# KiCad board BadgeClassBase.kicad_pcb (continued)
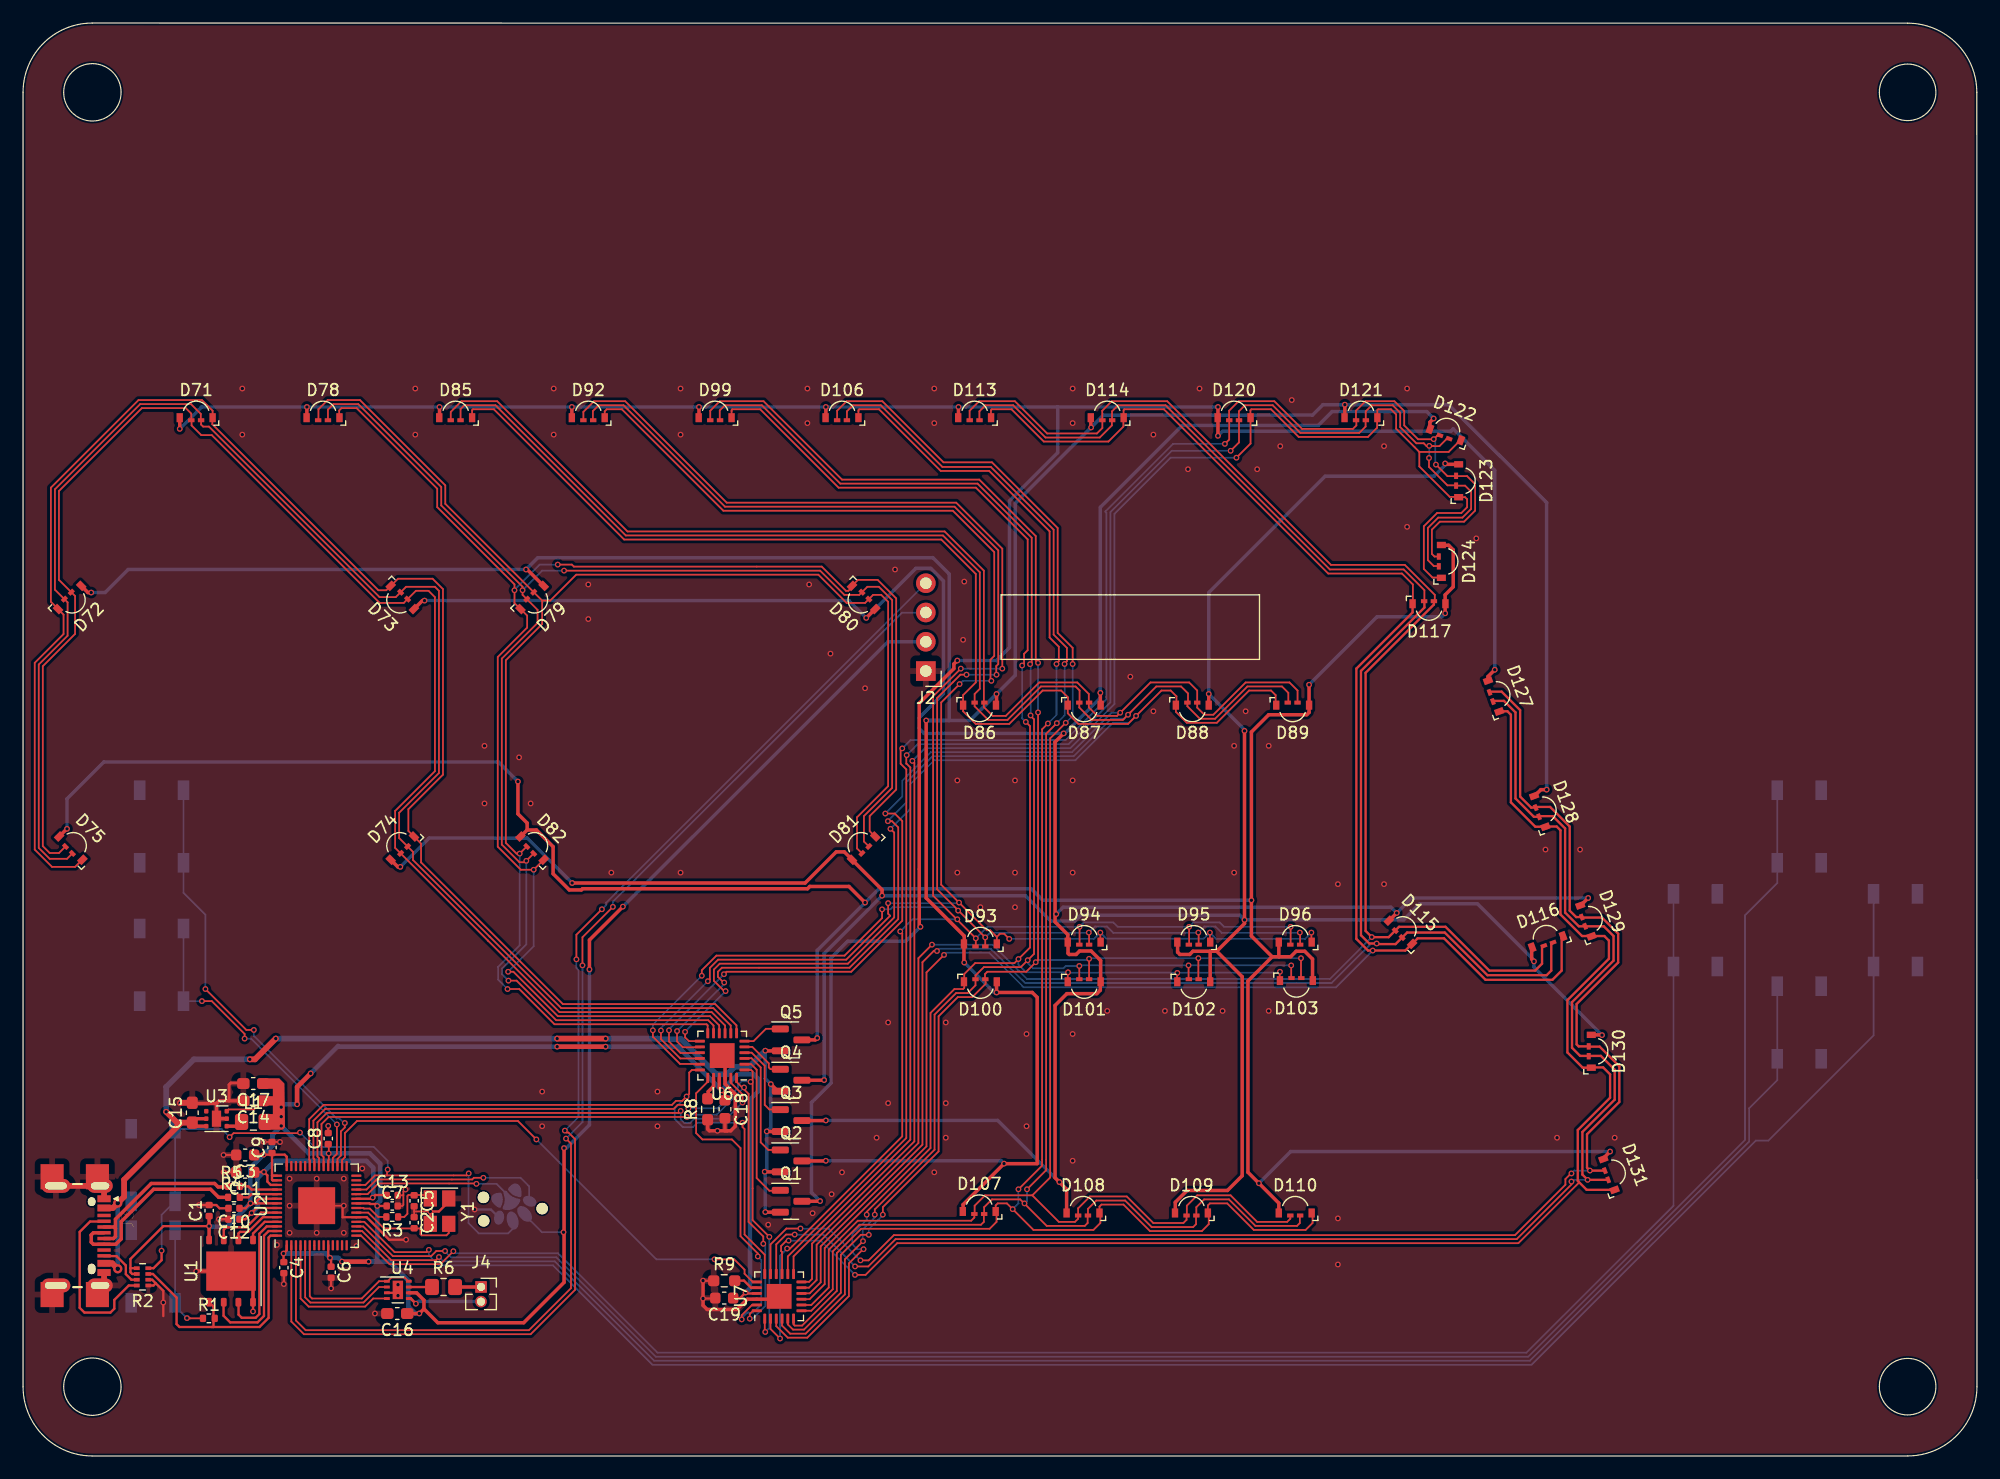
[diagram p0: board, top side]
## Routing (per net, layer and track width the routed paths; a pad name or vN(x,y) marks a point on that pad's centre or on a via; arc(x,y) is an arc through that point) (continued)
Net-(D113-RK): length 178.3
  Top w0.15: 95.43,90.08 95.43,90.74 95.5,90.81 98.92,90.81 113.17,76.56 119.56,76.56 120.51,75.61 120.51,73.91 ; U7.9 68.2,13.6 69.51,14.91 69.51,18.04 78.34,26.86 78.34,41.95 v1(79.86,43.47) ; 83.93,90.08 83.93,90.74 84,90.81 85.71,90.81 88.51,88.01 94.11,88.01 95.41,89.31 95.41,90.11
  Top w0.2: D115.1 120.93,44.91 123.21,44.91 126.81,41.31 132.61,41.31 133.41,42.11 133.41,44.91 133.61,45.11 ; D117.1 120.49,73.19 115.61,68.31 115.61,44.86 116.62,43.85 119.85,43.85 120.41,44.41
  Bottom w0.15: v1(79.86,43.47) 80.04,43.66 83.77,43.66 86.77,40.66 113.84,40.66 v1(117.03,43.85)
Net-(D120-BK): length 141.4
  Top w0.15: 66.31,15.71 66.31,17.31 76.59,27.59 76.59,59.57 76.09,60.06 76.09,61.25 v1(76.23,61.39) ; 115.58,89.86 115.58,90.69 116.4,91.51 118.91,91.51 119.76,90.66 119.76,89.41 120.96,88.21 122.31,88.21 ; 122.81,88.51 122.61,88.51 122.31,88.21 ; 104.58,89.86 104.58,90.69 105.4,91.51 108.5,91.51 110.9,89.11 115.31,89.11 115.61,89.41 115.61,89.91 ; D120.3 104.59,88.19 v1(104.21,87.81) ; v1(122.32,88.22) 122.31,88.21 122.31,88.21 ; v1(122.51,86.01) 123.51,85.01 125.21,85.01 125.91,84.31 125.91,82.02 124.95,81.06 122.85,81.06 122.16,80.37 122.16,78.26 122.39,78.04 D124.3
  Bottom w0.15: v1(122.32,88.22) 122.46,88.08 122.46,86.06 v1(122.51,86.01) ; v1(104.21,87.81) 99.71,87.81 93.84,81.94 93.94,81.84 93.94,65.65 90.4,62.11 76.96,62.11 v1(76.23,61.39)
Net-(D120-GK): length 142
  Top w0.15: 116.41,89.81 116.41,89.31 115.86,88.76 110.76,88.76 108.36,91.16 105.95,91.16 105.43,90.64 105.43,89.86 ; 123.61,88.21 123.41,88.21 122.81,87.61 122.31,87.61 ; v1(121.91,86.59) 121.91,85.81 123.51,84.21 124.31,84.21 ; U7.13 66.81,17.32 76.94,27.44 76.94,59.74 76.61,60.06 76.59,60.06 76.59,60.77 v1(76.62,60.8) ; 122.31,87.61 121.71,87.61 121.46,87.86 120.82,87.86 119.41,89.27 119.41,90.51 118.76,91.16 116.95,91.16 116.43,90.64 116.43,89.86 ; 122.31,87.61 121.96,87.61 v1(121.93,87.64) ; 122.71,77.21 122.32,77.21 121.81,77.72 121.81,80.52 122.71,81.41 124.81,81.41 125.56,82.17 125.56,83.66 125.04,84.19 D123.2 ; v1(104.71,87.21) 105.44,87.94 D120.2
  Bottom w0.15: v1(104.71,87.21) 99.61,87.21 94.29,81.89 94.29,65.39 90.66,61.76 77.58,61.76 v1(76.62,60.8) ; v1(121.91,86.59) 121.93,86.61 v1(121.93,87.64)
Net-(D120-RK): length 144.2
  Top w0.15: 121.07,87.11 121.07,85.85 123.71,83.21 124.51,83.21 ; 121.07,87.11 119.06,89.12 119.06,90.36 118.61,90.81 117.5,90.81 117.43,90.74 117.43,90.08 ; 121.07,87.11 123.61,87.11 124.61,88.11 124.71,88.11 ; v1(77.11,60.31) 77.29,60.13 77.29,27.3 68.41,18.42 68.41,15.36 68.16,15.11 67.51,15.11 ; 106.43,90.08 106.43,90.74 106.5,90.81 108.21,90.81 110.61,88.41 116.61,88.41 117.41,89.21 117.41,90.11 ; D120.1 106.44,87.84 v1(105.21,86.61) ; 123.01,76.21 122.21,76.21 121.46,76.96 121.46,80.66 122.61,81.81 124.71,81.81 125.21,82.31 125.21,83.01 125.04,83.19 D123.1
  Bottom w0.15: v1(77.11,60.31) 78.22,61.41 90.81,61.41 94.64,65.24 94.64,81.75 99.5,86.61 v1(105.21,86.61)
Net-(D127-BK): length 134.7
  Top w0.15: v1(67.41,19.73) 66.19,19.73 64.81,18.35 U7.17 ; v1(72.61,16.97) 73.32,16.97 75.51,19.16 129.37,19.16 133.74,23.53 133.74,24.03 134.22,24.51 v1(134.26,24.51)
  Top w0.2: 127.11,66.31 128.21,66.31 129.81,64.71 129.81,57.21 130.77,56.25 D128.3 ; 135.11,46.71 136.91,46.71 138.31,45.31 138.31,42.81 134.71,39.21 134.71,35.71 134.89,35.54 D130.3 ; D129.3 134.67,46.75 134.11,47.31 134.11,54.61 132.41,56.31 131.11,56.31 ; D131.3 135.87,24.75 v1(135.86,24.76) 135.61,25.01 135.61,27.91 138.41,30.71 138.41,33.81 136.71,35.51 135.81,35.51
  Bottom w0.15: v1(134.26,24.51) 134.51,24.76 v1(135.86,24.76) ; v1(67.41,19.73) 69.84,19.73 v1(72.61,16.97)
Net-(D127-GK): length 133.8
  Top w0.15: v1(72.14,16.45) 72.15,16.44 73.29,16.44 75.66,18.81 129.51,18.81 134.26,23.56 v1(134.26,23.81) ; v1(66.91,19.21) 66.16,19.21 65.31,18.36 U7.16
  Top w0.2: 131.41,55.51 132.64,55.51 133.71,54.44 133.71,47.14 134.9,45.95 D129.2 137.07,45.95 137.91,45.11 137.91,42.98 134.31,39.38 134.31,35.41 135.01,34.71 135.81,34.71 ; 127.41,65.51 128.41,65.51 129.41,64.51 129.41,57.04 131,55.45 D128.2 ; D131.2 v1(135.67,23.95) 135.21,24.41 135.21,28.11 138.01,30.91 138.01,33.51 136.81,34.71 135.71,34.71
  Bottom w0.15: v1(134.26,23.81) 134.41,23.95 v1(135.67,23.95) ; v1(66.91,19.21) 69.38,19.21 v1(72.14,16.45)
Net-(D127-RK): length 132.8
  Top w0.15: U7.15 65.81,17.69 65.73,17.78 65.73,18.21 66.2,18.68 v1(66.38,18.68) ; v1(72.14,15.71) 73.05,15.71 75.8,18.46 129.66,18.46 134.93,23.74 134.81,23.86
  Top w0.2: D131.1 135.58,23.09 134.81,23.86 134.81,28.28 137.61,31.08 137.61,33.11 137.01,33.71 136.01,33.71 ; 127.91,64.61 128.71,64.61 129.01,64.31 129.01,56.71 131.13,54.59 D128.1 ; D130.1 135.24,33.69 133.91,35.01 133.91,39.54 137.51,43.14 137.51,44.71 137.11,45.11 135.18,45.11 133.31,46.98 133.31,54.28 132.98,54.61 131.91,54.61
  Bottom w0.15: v1(72.14,15.71) 69.16,18.68 v1(66.38,18.68)
Net-(J4-Pin_1): length 2.3
  Top w0.3: 39.76,14.56 39.66,14.66 R6.2
Net-(J4-Pin_2): length 7.6
  Top w0.2: 33.41,13.66 33.61,13.66 v1(34.06,13.21) 33.62,13.66 ; 33.62,13.66 33.76,13.51 ; 33.62,13.66 U4.5
  Bottom w0.3: v1(34.06,13.21) 34.26,13.41 39.76,13.41
Net-(Q1-B): length 13.2
  Top w0.15: U6.2 63.13,33.99 63.61,33.51 63.61,24.11 64.71,23.01 65.71,23.01
Net-(Q2-B): length 10.3
  Top w0.15: Q2.1 64.62,26.55 63.96,27.21 63.96,33.71 63.16,34.51 62.46,34.51
Net-(Q3-B): length 7.1
  Top w0.15: 65.66,30.06 64.71,30.06 64.31,30.46 64.31,33.86 63.18,34.99 U6.4
Net-(Q4-B): length 4.2
  Top w0.15: U6.5 63.23,35.49 64.66,34.06 64.66,33.71 64.81,33.56 65.71,33.56
Net-(Q5-B): length 3.5
  Top w0.15: 65.66,37.06 64.41,37.06 63.34,35.99 U6.6
Net-(U3-LX): length 1.4
  Top w0.3: 18.87,28.98 18.5,28.61 U3.4
Net-(U4-O_{a}): length 2
  Top w0.2: R6.1 35.46,14.66 U4.7 ; 34.96,14.66 34.96,14.66
Net-(U6-IREF): length 2
  Top w0.3: U6.20 59.87,32.07 59.41,31.61 59.41,30.96
Net-(U6-SDO): length 28.3
  Top w0.15: U7.23 63.21,13.1 62.31,12.2 v1(62.31,11.85) ; U6.19 59.37,32.47 58.36,31.46 58.36,28.01 58.91,27.46 61.46,27.46 62.21,26.71 62.21,19.07 63.71,17.57 v1(63.71,17.31)
  Bottom w0.15: v1(63.71,17.31) 64.01,17.01 64.01,13.16 63.29,12.44 62.84,12.44 62.82,12.46 62.31,11.96 v1(62.31,11.85)
Net-(U7-IREF): length 2.1
  Top w0.2: U7.20 63.12,14.6 62.51,15.21 61.76,15.21
unconnected-(U2-GPIO5-Pad7): length 0
  Top w0.15: U2.7 25.24,18.25

## Copper pours and planes (outline as drawn; the poured copper is in the pictures)
+3.3V on Top (solid shape): 20.96,28.31 20.96,29.66 21.66,29.66 21.66,30.41 20.96,30.41 20.96,31.21 21.66,31.21 21.66,31.86 20.96,31.86 20.96,32.76 22.21,32.76 22.66,32.31 22.71,28.51 22.51,28.31
GND on Top: 0.01,124.61 170.01,124.61 170.01,-0.39 0.01,-0.39
GND on Top: 13.97,31.48 21.87,31.48 21.87,27.98 13.97,27.98
GND on Bottom: 0.01,124.61 170.01,124.61 170.01,-0.39 0.01,-0.39
